# KiCad board kintsugi_v2.kicad_pcb (continued)
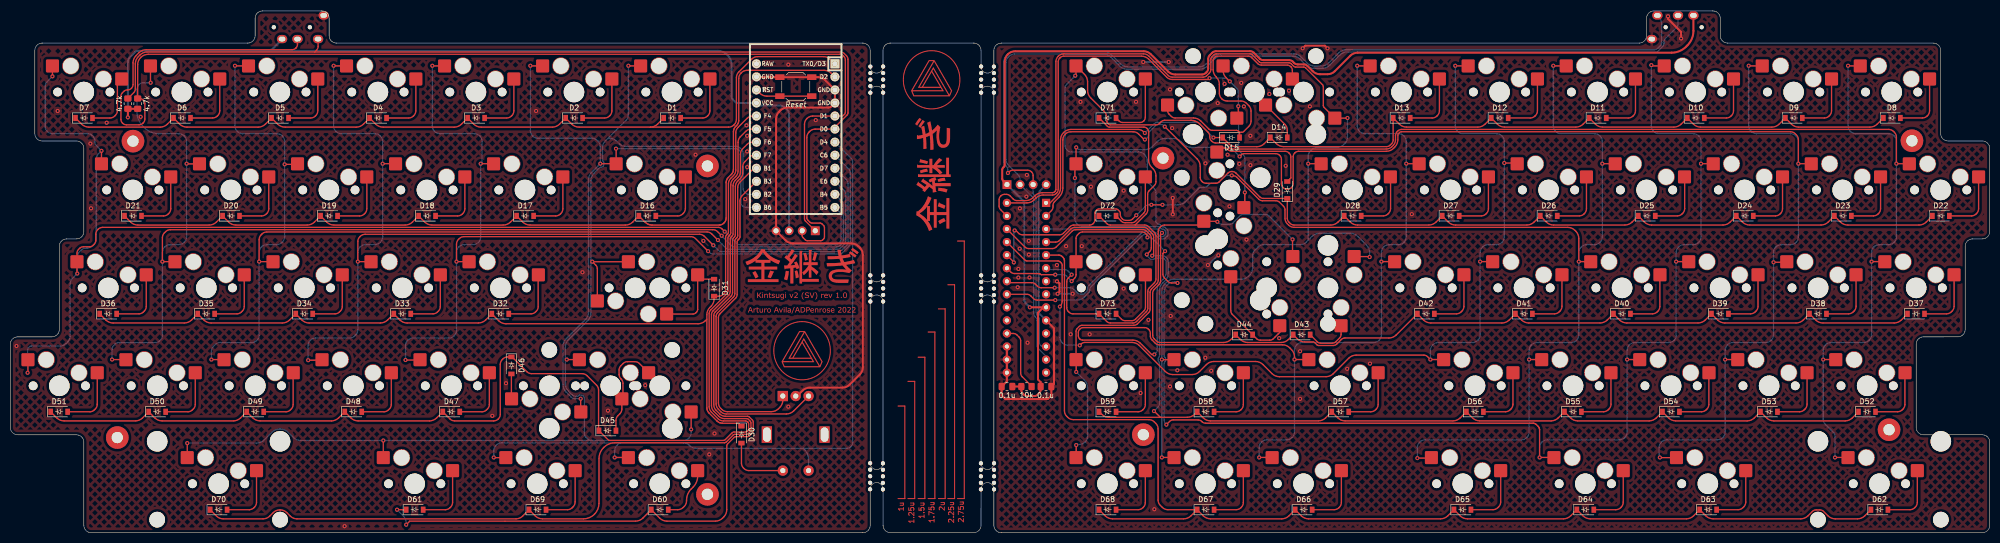
[diagram p0: board, top side]
## Routing (per net, layer and track width the routed paths; a pad name or vN(x,y) marks a point on that pad's centre or on a via; arc(x,y) is an arc through that point) (continued)
  Bottom w0.381: J2.1 196.75,64.66 arc(196.97,64.34) 197.04,63.95 197.04,45.34 arc(197.12,44.96) 197.33,44.63 v1(198.12,43.85)
VSS: length 90.5
  Top w0.381: v1(324.68,96.14) 324.68,97.41 322.14,99.95 v1(322.14,100.46) ; v1(225.9,65.12) v1(225.9,61.95) ; v1(255.97,94.24) 255.46,94.74 251.65,94.74 v1(251.14,94.24) ; U2.17 U2.15 193.66,29.46 C1.2 192.65,26.72 193.36,26 201.6,26 202.3,26.7 C2.2 202.82,28.96 202.82,39.77 U2.10 ; v1(203.39,48.9) 203.5,48.9 203.88,48.52 203.88,46.85 v1(203.52,46.48)
  Bottom w0.381: J2.4 200.14,66.56 arc(199.92,66.24) 199.84,65.85 199.84,43.15 arc(199.92,42.77) 200.14,42.45 U2.10 ; v1(220.16,91.57) v1(225.11,91.57) ; v1(232.73,52.07) 234.63,53.98 v1(234.76,53.98) ; v1(206.44,46.48) v1(203.52,46.48)
  vias: v1(195.77,47.75) v1(195.9,51.31) v1(195.9,49.65) v1(196.15,55.25) v1(196.18,63.09) v1(197.45,65.38) v1(197.55,69.6) v1(197.68,36.96) v1(197.93,56.77) v1(197.93,54.1) v1(198.06,49.66) v1(203.39,52.07) v1(205.17,55.75) v1(206.06,38.61) v1(207.96,83.82) v1(208.22,55.75) v1(209.74,38.61) v1(210,67.31) v1(216.35,66.55) v1(216.35,47.5) v1(218.76,83.82) v1(219.65,27.18) v1(221.17,41.4) v1(222.31,4.57) v1(225.36,86.23) v1(225.36,28.45) v1(225.49,42.17) v1(225.77,78.71) v1(226.79,31.6) v1(232.25,71.85) v1(232.22,34.04) v1(233.36,31.5) v1(234.63,83.57) v1(235.97,87.31) v1(236.54,73.53) v1(236.92,63.5) v1(238.82,71.76) v1(239.21,87.5) v1(239.71,82.93) v1(240.22,57.02) v1(240.98,77.22) v1(240.98,71.5) v1(244.67,85.35) v1(246.57,37.85) v1(247.84,71.38) v1(248.48,85.98) v1(250.64,35.31) v1(250.64,26.04) v1(252.54,82.93) v1(259.78,31.88) v1(264.22,32.89) v1(272.35,61.98)
COL0: length 145.7
  Top w0.25: v1(117.44,14.64) 120.08,14.64 MX63.1 ; MX72.1 93.98,14.61 v1(93.95,14.64)
  Bottom w0.25: 118.52,17.49 118.39,17.49 117.88,16.98 arc(117.56,16.5) 117.44,15.92 v1(117.44,14.64) ; 118.52,17.49 95.52,17.49 arc(94.94,17.38) 94.46,17.05 94.39,16.98 arc(94.06,16.5) 93.95,15.92 v1(93.95,14.64) ; 118.52,17.49 130.86,17.49 arc(131.44,17.38) 131.92,17.05 132.12,16.86 arc(132.6,16.53) 133.18,16.42 154.15,16.42 ; 154.15,16.42 162.62,16.42 arc(163.01,16.49) 163.33,16.71 163.4,16.78 arc(163.62,17.1) 163.69,17.49 163.69,72.12 arc(163.62,72.5) 163.4,72.82 U1.7 ; 154.15,16.42 154.24,16.32 arc(154.89,15.35) 155.12,14.2 SW1.S1
COL1: length 261.1
  Top w0.25: MX1.1 120.14,90.81 v1(120.11,90.84) ; MX48.1 110.55,33.69 v1(108.14,33.69) ; MX64.1 v1(72.49,17.94) ; MX73.1 v1(34.39,17.43) ; MX32.2 114.08,51.33 arc(114,51.72) 113.79,52.04 v1(113.09,52.74) 113.12,52.71 MX31.1 ; v1(132.3,20.1) MX47.1
  Bottom w0.25: 116.11,76.68 115.54,76.11 arc(115.21,75.62) 115.1,75.05 115.1,72.47 arc(115.12,72.37) 115.17,72.29 115.23,72.24 arc(115.34,72.07) 115.37,71.88 115.37,71.7 arc(115.34,71.5) 115.23,71.34 115.1,71.21 arc(114.93,71.1) 114.74,71.06 114.66,71.06 arc(114.57,71.05) 114.49,70.99 113.4,69.9 arc(112.97,69.25) 112.81,68.49 112.81,53.01 v1(113.09,52.74) 112.81,52.46 112.81,42.71 arc(112.66,41.95) 112.23,41.3 108.45,37.52 arc(108.01,36.87) 107.86,36.1 107.86,33.96 v1(108.14,33.69) 107.86,33.41 107.86,28.99 arc(108.01,28.22) 108.45,27.57 109.21,26.81 arc(109.53,26.59) 109.92,26.52 110.06,26.52 arc(110.25,26.56) 110.41,26.66 110.47,26.72 arc(110.55,26.77) 110.64,26.79 110.93,26.79 arc(111.12,26.76) 111.29,26.65 111.42,26.52 arc(111.53,26.35) 111.56,26.16 111.56,19.28 arc(111.64,18.9) 111.86,18.57 112.49,17.94 123.97,17.94 ; 116.11,76.68 119.67,80.24 arc(120,80.73) 120.11,81.3 v1(120.11,90.84) ; 116.11,76.68 116.7,76.68 arc(117.27,76.56) 117.76,76.24 118.4,75.6 arc(118.89,75.27) 119.46,75.16 141.09,75.16 arc(141.47,75.08) 141.8,74.87 142.11,74.55 arc(142.33,74.23) 142.4,73.85 142.4,66.93 arc(142.48,66.54) 142.7,66.22 142.81,66.11 arc(143.13,65.9) 143.51,65.82 U1.14 ; 123.97,17.94 v1(72.49,17.94) 56.44,17.94 arc(55.67,18.09) 55.03,18.53 53.99,19.56 arc(53.34,20) 52.57,20.15 52.27,20.15 arc(51.5,20) 50.85,19.56 49.31,18.02 arc(48.66,17.58) 47.89,17.43 v1(34.39,17.43) ; 123.97,17.94 130.79,17.94 arc(131.37,18.05) 131.85,18.38 131.86,18.39 arc(132.19,18.88) 132.3,19.45 v1(132.3,20.1)
COL2: length 130.8
  Top w0.25: MX2.1 101.09,90.81 v1(101.06,90.84) ; v1(114.65,71.79) 117.7,71.79 MX17.1 117.73,74.68 v1(117.7,74.71) ; v1(110.84,26.07) 110.84,23.53 MX49.1
  Bottom w0.25: v1(110.84,26.07) 109.73,26.07 arc(109.35,26.14) 109.02,26.36 108,27.39 arc(107.56,28.04) 107.41,28.8 107.41,36.29 arc(107.56,37.05) 108,37.7 111.78,41.48 arc(112.21,42.13) 112.36,42.9 112.36,68.67 arc(112.52,69.44) 112.95,70.09 v1(114.65,71.79) 114.65,75.1 arc(114.54,75.68) 114.21,76.16 114.07,76.3 arc(113.59,76.63) 113.01,76.74 102.57,76.74 arc(102,76.86) 101.51,77.18 101.5,77.19 arc(101.18,77.68) 101.06,78.25 v1(101.06,90.84) ; U1.13 143,63.28 arc(142.62,63.36) 142.3,63.57 142.25,63.62 arc(142.03,63.95) 141.96,64.33 141.96,73.66 arc(141.88,74.04) 141.66,74.37 141.61,74.42 arc(141.29,74.63) 140.91,74.71 v1(117.7,74.71)
COL3: length 189.3
  Top w0.25: MX3.1 82.04,90.81 v1(82.01,90.84) ; v1(91.41,71.79) 93.89,71.79 MX18.1 ; v1(76.8,33.59) 79.57,33.59 MX50.1 ; MX33.1 89.12,52.74 v1(86.71,52.74) 86.71,56.14 arc(86.81,56.63) 87.09,57.06 87.26,57.22 arc(87.68,57.5) 88.18,57.6 132.23,57.6 arc(132.73,57.5) 133.15,57.22 v1(135.61,54.77)
  Bottom w0.25: U1.8 162.95,70.73 arc(163.17,70.41) 163.24,70.03 163.24,56.41 arc(163.17,56.02) 162.95,55.7 161.79,54.54 arc(161.46,54.32) 161.08,54.24 136.55,54.24 arc(136.16,54.32) 135.84,54.54 v1(135.61,54.77) ; v1(82.01,90.84) 82.01,79.14 arc(82.13,78.57) 82.45,78.08 82.46,78.07 arc(82.95,77.74) 83.52,77.63 90.15,77.63 arc(90.73,77.52) 91.21,77.19 91.22,77.18 arc(91.55,76.69) 91.66,76.12 91.66,72.04 v1(91.41,71.79) 91.41,57.55 arc(91.3,56.98) 90.97,56.49 90.96,56.48 arc(90.47,56.15) 89.9,56.04 88.22,56.04 arc(87.65,55.93) 87.16,55.6 87.15,55.59 arc(86.82,55.1) 86.71,54.53 v1(86.71,52.74) 86.71,39.31 arc(86.61,38.81) 86.33,38.39 86.2,38.26 arc(85.78,37.98) 85.28,37.88 78.23,37.88 arc(77.73,37.78) 77.31,37.5 77.18,37.37 arc(76.92,37) 76.81,36.55 76.81,33.6 v1(76.8,33.59)
COL4: length 205.2
  Top w0.25: v1(72.36,71.79) 74.84,71.79 MX19.1 ; v1(57.88,33.56) 60.48,33.56 MX51.1 ; v1(136.62,55.91) 134.86,57.67 arc(134.44,57.95) 133.94,58.05 68.94,58.05 arc(68.44,57.95) 68.02,57.67 67.91,57.56 arc(67.63,57.14) 67.53,56.65 v1(67.53,52.74) 70.07,52.74 MX34.1 ; v1(62.83,90.84) 62.87,90.81 MX4.1
  Bottom w0.25: v1(136.62,55.91) 137.55,54.98 arc(137.87,54.77) 138.26,54.69 160.89,54.69 arc(161.28,54.77) 161.6,54.98 162.5,55.89 arc(162.72,56.21) 162.79,56.59 162.79,67.94 arc(162.72,68.32) 162.5,68.64 U1.9 ; v1(62.83,90.84) 62.83,79.14 arc(62.95,78.57) 63.27,78.08 63.28,78.07 arc(63.77,77.74) 64.34,77.63 70.85,77.63 arc(71.42,77.52) 71.91,77.19 71.92,77.18 arc(72.25,76.69) 72.36,76.12 v1(72.36,71.79) 72.36,57.55 arc(72.25,56.98) 71.92,56.49 71.91,56.48 arc(71.42,56.15) 70.85,56.04 69.04,56.04 arc(68.47,55.93) 67.98,55.6 67.97,55.59 arc(67.65,55.1) 67.53,54.53 v1(67.53,52.74) 67.53,39.43 arc(67.43,38.94) 67.15,38.51 66.9,38.26 arc(66.48,37.98) 65.98,37.88 59.31,37.88 arc(58.81,37.78) 58.39,37.5 58.26,37.37 arc(57.98,36.95) 57.88,36.45 v1(57.88,33.56)
COL5: length 221
  Top w0.25: MX20.1 55.72,71.66 v1(53.31,71.66) ; MX5.1 43.69,90.81 v1(43.66,90.84) ; MX35.1 51.02,52.74 v1(48.36,52.74) 48.36,57.03 arc(48.46,57.52) 48.74,57.95 48.91,58.12 arc(49.33,58.4) 49.83,58.5 135.4,58.5 arc(135.9,58.4) 136.32,58.12 v1(137.51,56.93) ; v1(39.09,33.69) 41.5,33.69 MX52.1
  Bottom w0.25: v1(43.66,90.84) 43.66,79.14 arc(43.77,78.57) 44.1,78.08 44.11,78.07 arc(44.59,77.74) 45.17,77.63 51.8,77.63 arc(52.37,77.52) 52.86,77.19 52.87,77.18 arc(53.2,76.69) 53.31,76.12 v1(53.31,71.66) 53.31,57.61 arc(53.2,57.04) 52.87,56.55 52.8,56.48 arc(52.31,56.15) 51.74,56.04 49.87,56.04 arc(49.29,55.93) 48.81,55.6 48.8,55.59 arc(48.47,55.1) 48.36,54.53 v1(48.36,52.74) 48.36,38.42 arc(48.26,37.92) 47.98,37.5 47.85,37.37 arc(47.43,37.09) 46.93,36.99 40.77,36.99 arc(40.27,36.89) 39.85,36.61 39.47,36.23 arc(39.18,35.81) 39.09,35.31 v1(39.09,33.69) ; v1(137.51,56.93) 139.01,55.43 arc(139.33,55.22) 139.71,55.14 160.71,55.14 arc(161.09,55.22) 161.41,55.43 162.05,56.07 arc(162.27,56.4) 162.34,56.78 162.34,65.84 arc(162.27,66.23) 162.05,66.55 U1.10
COL6: length 235.4
  Top w0.25: MX53.1 22.45,33.69 v1(19.78,33.69) ; MX6.1 27.24,87.57 v1(27.27,87.54) ; MX21.1 34.29,71.76 v1(34.26,71.79) ; v1(138.24,57.77) 137.44,58.57 arc(137.02,58.85) 136.52,58.95 31.1,58.95 arc(30.61,58.85) 30.19,58.57 29.94,58.33 arc(29.66,57.9) 29.56,57.41 v1(29.56,52.74) 31.97,52.74 MX36.1
  Bottom w0.25: U1.11 161.6,64.46 arc(161.82,64.14) 161.89,63.75 161.89,56.96 arc(161.82,56.58) 161.6,56.26 161.23,55.88 arc(160.9,55.67) 160.52,55.59 140.79,55.59 arc(140.4,55.67) 140.08,55.88 138.24,57.72 v1(138.24,57.77) ; v1(19.78,33.69) 19.78,35.69 arc(19.86,36.07) 20.07,36.39 20.38,36.7 arc(20.7,36.91) 21.08,36.99 28.26,36.99 arc(28.64,37.07) 28.96,37.28 29.27,37.59 arc(29.48,37.91) 29.56,38.29 v1(29.56,52.74) 29.56,54.53 arc(29.67,55.1) 30,55.59 30.01,55.6 arc(30.5,55.93) 31.07,56.04 32.75,56.04 arc(33.32,56.15) 33.81,56.48 33.82,56.49 arc(34.15,56.98) 34.26,57.55 v1(34.26,71.79) 34.26,76.12 arc(34.15,76.69) 33.82,77.18 33.81,77.19 arc(33.32,77.52) 32.75,77.63 28.87,77.63 arc(27.34,77.94) 26.04,78.8 25.78,79.06 arc(24.91,80.36) 24.61,81.89 24.61,86.15 arc(24.72,86.73) 25.05,87.21 25.08,87.24 arc(25.4,87.46) 25.78,87.54 v1(27.27,87.54)
COL7: length 248.5
  Top w0.25: MX54.1 3.43,31.18 v1(3.37,31.12) ; v1(138.83,58.58) 138.3,59.11 arc(137.98,59.32) 137.59,59.4 17.97,59.4 arc(17.47,59.3) 17.05,59.02 16.99,58.96 arc(16.71,58.54) 16.61,58.04 16.61,56.84 arc(16.53,56.45) 16.31,56.13 16.11,55.92 arc(15.78,55.7) 15.4,55.63 14.19,55.63 arc(13.81,55.55) 13.49,55.33 13.25,55.1 arc(13.03,54.77) 12.95,54.39 MX37.1 12.95,50.48 v1(13.02,50.42) ; v1(8.19,88.77) MX7.1 ; v1(17.72,74.3) MX22.1
  Bottom w0.25: v1(3.37,31.12) 3.37,35.61 arc(3.4,35.8) 3.51,35.96 3.73,36.18 arc(3.89,36.29) 4.08,36.32 9.73,36.32 arc(10.3,36.44) 10.79,36.76 11.18,37.15 arc(11.51,37.64) 11.62,38.22 11.62,48.4 arc(11.74,48.98) 12.06,49.46 v1(13.02,50.42) 13.02,53.61 arc(13.13,54.18) 13.46,54.67 13.72,54.93 arc(14.21,55.26) 14.78,55.37 14.94,55.37 arc(15.51,55.49) 16,55.81 16.26,56.08 arc(16.59,56.56) 16.7,57.14 16.7,72.66 arc(16.82,73.23) 17.14,73.72 v1(17.72,74.3) 16.74,75.27 arc(16.52,75.6) 16.45,75.98 16.45,76.3 arc(16.37,76.68) 16.15,77 15.82,77.34 arc(15.5,77.55) 15.11,77.63 8.07,77.63 arc(7.68,77.71) 7.36,77.92 7.09,78.19 arc(6.87,78.52) 6.8,78.9 6.8,86.96 arc(6.87,87.35) 7.09,87.67 v1(8.19,88.77) ; U1.12 161.15,62.37 arc(161.37,62.05) 161.44,61.66 161.44,57.15 arc(161.37,56.77) 161.15,56.44 161.04,56.33 arc(160.72,56.12) 160.33,56.04 141.78,56.04 arc(141.4,56.12) 141.07,56.33 v1(138.83,58.58)
COL8: length 375.7
  Top w0.25: MX55.1 354.71,33.69 v1(352.29,33.69) ; v1(354.58,14.64) 357.09,14.64 MX65.1 ; v1(357.12,90.84) 357.15,90.81 MX8.1 ; v1(361.69,52.74) 364.23,52.74 MX38.1 ; v1(206.95,88.9) 207.1,89.06 MX74.1 208.76,89.15 arc(209.19,88.51) 209.34,87.74 209.34,86.03 arc(209.5,85.27) 209.93,84.62 212.52,82.03 arc(212.95,81.38) 213.1,80.61 213.1,80 arc(213.14,79.81) 213.25,79.65 213.4,79.5 arc(213.56,79.39) 213.75,79.35 222.64,79.35 arc(223.02,79.43) 223.35,79.65 223.64,79.94 arc(223.96,80.16) 224.35,80.23 229.39,80.23 229.56,80.23 229.88,80.19 230.2,80.1 230.5,79.98 230.78,79.81 231.04,79.61 231.16,79.5 232.79,77.87 arc(233,77.55) 233.08,77.17 233.08,76.99 arc(233.16,76.6) 233.37,76.28 233.54,76.11 arc(233.86,75.9) 234.24,75.82 235.58,75.82 arc(235.97,75.74) 236.29,75.53 237.03,74.79 arc(237.19,74.68) 237.38,74.64 267.4,74.64 arc(267.98,74.76) 268.47,75.08 268.74,75.36 arc(269.06,75.84) 269.18,76.42 269.18,77.29 arc(269.26,77.67) 269.47,78 269.64,78.16 arc(269.96,78.38) 270.34,78.45 365.03,78.45 arc(365.53,78.35) 365.95,78.07 366.14,77.89 arc(366.42,77.47) 366.52,76.97 v1(366.52,71.79) 369,71.79 MX23.1 ; U2.21 197.59,46.38 arc(197.97,46.31) 198.29,46.09 198.84,45.54 arc(199.16,45.32) 199.55,45.25 v1(203.07,45.25)
  Bottom w0.25: v1(354.58,14.64) 354.58,18.8 arc(354.5,19.18) 354.29,19.51 352.73,21.06 arc(352.41,21.55) 352.29,22.12 v1(352.29,33.69) 352.29,35.48 arc(352.41,36.06) 352.73,36.54 352.74,36.55 arc(353.23,36.88) 353.8,36.99 360.18,36.99 arc(360.76,37.11) 361.24,37.43 361.25,37.44 arc(361.58,37.93) 361.69,38.5 v1(361.69,52.74) 361.69,54.53 arc(361.81,55.11) 362.13,55.59 362.14,55.6 arc(362.63,55.93) 363.2,56.04 365.01,56.04 arc(365.58,56.16) 366.07,56.48 366.08,56.49 arc(366.4,56.98) 366.52,57.55 v1(366.52,71.79) 366.52,76.12 arc(366.4,76.7) 366.08,77.18 366.07,77.19 arc(365.58,77.52) 365.01,77.63 358.63,77.63 arc(358.06,77.75) 357.57,78.07 357.56,78.08 arc(357.23,78.57) 357.12,79.14 v1(357.12,90.84) ; v1(206.95,88.9) 205.27,87.22 arc(205.05,86.9) 204.97,86.51 204.97,75.25 arc(205.05,74.87) 205.27,74.55 205.44,74.37 arc(205.77,74.15) 206.15,74.08 219.24,74.08 arc(219.82,73.96) 220.3,73.64 220.51,73.44 arc(220.83,72.95) 220.94,72.38 220.94,68.71 arc(221.02,68.33) 221.24,68.01 222.33,66.91 arc(222.55,66.58) 222.63,66.2 222.63,60.55 arc(222.65,60.43) 222.72,60.34 222.98,60.07 arc(223.08,60) 223.2,59.98 223.31,59.98 arc(223.43,59.96) 223.53,59.89 223.83,59.59 arc(223.92,59.53) 224.04,59.5 224.16,59.5 arc(224.28,59.48) 224.38,59.42 224.89,58.9 arc(224.95,58.81) 224.98,58.69 224.98,57.97 arc(224.95,57.85) 224.89,57.76 224.38,57.24 arc(224.28,57.18) 224.16,57.16 223.44,57.16 arc(223.32,57.18) 223.23,57.24 222.87,57.6 arc(222.23,58.03) 221.46,58.18 221.15,58.18 arc(220.39,58.03) 219.74,57.6 210.09,47.95 arc(209.87,47.62) 209.79,47.24 209.79,47.14 arc(209.75,46.95) 209.65,46.79 208.69,45.83 arc(208.04,45.4) 207.28,45.25 v1(203.07,45.25)
COL9: length 355.2
  Top w0.25: MX9.1 337.85,90.81 v1(337.82,90.84) ; v1(238.88,73.19) 239.29,73.6 arc(239.46,73.71) 239.65,73.74 245.91,73.74 arc(246.3,73.67) 246.62,73.45 246.72,73.35 arc(246.94,73.03) 247.01,72.65 247.01,67.89 arc(247.09,67.5) 247.3,67.18 247.35,67.13 arc(247.68,66.91) 248.06,66.84 248.25,66.84 arc(248.63,66.91) 248.96,67.13 249,67.18 arc(249.22,67.5) 249.3,67.89 249.3,73.16 arc(249.37,73.54) 249.59,73.86 249.63,73.9 arc(249.95,74.12) 250.34,74.19 267.38,74.19 arc(268.15,74.35) 268.8,74.78 269.04,75.03 arc(269.48,75.67) 269.63,76.44 269.63,77.31 arc(269.67,77.5) 269.78,77.66 269.97,77.86 arc(270.13,77.97) 270.32,78 345.92,78 arc(346.42,77.91) 346.84,77.62 347.09,77.38 arc(347.37,76.96) 347.47,76.46 v1(347.47,71.79) 349.95,71.79 MX24.1 ; MX39.1 345.12,52.61 v1(342.64,52.61) ; v1(320.54,14.64) 320.58,14.61 MX66.1 ; v1(333.24,33.69) 335.66,33.69 MX56.1 ; v1(206.88,69) 206.88,71.54 MX75.1 207.1,74.93 v1(207.13,74.97) ; U2.22 193.94,48.64 198.5,48.64 arc(198.88,48.57) 199.21,48.35 199.6,47.95 arc(199.93,47.74) 200.31,47.66 v1(202.94,47.66)
  Bottom w0.25: v1(206.88,69) 206.88,61.11 arc(206.99,60.54) 207.32,60.05 207.4,59.97 arc(207.88,59.65) 208.46,59.53 223.11,59.53 arc(223.23,59.51) 223.32,59.44 223.62,59.14 arc(223.72,59.08) 223.84,59.05 223.98,59.05 arc(224.09,59.03) 224.19,58.97 224.44,58.72 arc(224.5,58.62) 224.53,58.51 224.53,58.15 arc(224.5,58.04) 224.44,57.94 224.19,57.69 arc(224.09,57.63) 223.98,57.6 223.63,57.6 arc(223.51,57.63) 223.41,57.69 223.06,58.05 arc(222.41,58.48) 221.65,58.63 220.96,58.63 arc(220.2,58.48) 219.55,58.05 209.64,48.13 arc(209.42,47.81) 209.34,47.42 209.34,47.33 arc(209.31,47.14) 209.2,46.98 208.77,46.55 arc(208.61,46.44) 208.42,46.4 208.02,46.4 arc(207.64,46.48) 207.32,46.7 206.65,47.37 arc(206.32,47.59) 205.94,47.66 v1(202.94,47.66) ; v1(320.54,14.64) 320.42,14.77 320.42,16.56 arc(320.53,17.13) 320.86,17.62 320.87,17.63 arc(321.35,17.96) 321.93,18.07 331.73,18.07 arc(332.31,18.18) 332.79,18.51 332.81,18.52 arc(333.13,19.01) 333.24,19.58 v1(333.24,33.69) 333.24,35.48 arc(333.36,36.06) 333.68,36.54 333.69,36.55 arc(334.18,36.88) 334.75,36.99 341.13,36.99 arc(341.71,37.11) 342.19,37.43 342.2,37.44 arc(342.53,37.93) 342.64,38.5 v1(342.64,52.61) 342.64,54.53 arc(342.76,55.11) 343.08,55.59 343.09,55.6 arc(343.58,55.93) 344.15,56.04 345.96,56.04 arc(346.53,56.16) 347.02,56.48 347.03,56.49 arc(347.35,56.98) 347.47,57.55 v1(347.47,71.79) 347.47,76.12 arc(347.35,76.7) 347.03,77.18 347.02,77.19 arc(346.53,77.52) 345.96,77.63 339.33,77.63 arc(338.75,77.75) 338.27,78.07 338.26,78.08 arc(337.93,78.57) 337.82,79.14 v1(337.82,90.84) ; v1(207.13,74.97) 207.28,74.82 arc(207.6,74.6) 207.99,74.53 220.5,74.53 arc(221.27,74.68) 221.92,75.11 222.9,76.1 arc(223.55,76.53) 224.31,76.68 226.09,76.68 arc(226.85,76.53) 227.5,76.1 228.04,75.55 arc(228.69,75.12) 229.46,74.97 236.69,74.97 236.79,74.96 236.98,74.93 237.16,74.85 237.33,74.74 237.4,74.67 v1(238.88,73.19)
COL10: length 284.1
  Top w0.25: v1(224.41,54.77) 223.98,54.34 223.98,50.28 arc(224.05,49.9) 224.27,49.58 224.96,48.88 arc(225.29,48.66) 225.67,48.59 v1(226.82,48.59) ; v1(206.24,48.93) 206.81,49.5 arc(207.03,49.82) 207.1,50.2 MX76.1 207.1,57.25 arc(207.18,57.63) 207.39,57.96 207.65,58.21 arc(207.98,58.43) 208.36,58.5 219.9,58.5 arc(220.29,58.43) 220.61,58.21 220.98,57.85 v1(220.98,57.46) ; MX67.1 299.94,14.64 v1(297.18,14.64) 297.18,20 297.17,20.1 297.14,20.29 297.06,20.47 296.95,20.64 296.88,20.71 296.58,21.01 296.51,21.08 296.35,21.19 296.16,21.26 295.97,21.3 295.87,21.3 232.29,21.3 arc(231.9,21.38) 231.58,21.6 231.52,21.65 arc(231.2,21.87) 230.82,21.94 225.99,21.94 arc(225.61,21.87) 225.28,21.65 v1(224.66,21.03) ; MX25.1 330.9,71.79 v1(328.55,71.79) ; v1(203.07,50.2) 200.37,50.2 arc(200.26,50.22) 200.16,50.29 200.12,50.33 arc(200.02,50.4) 199.91,50.42 195.12,50.42 arc(194.73,50.5) 194.41,50.71 U2.23 ; MX57.1 316.61,33.69 v1(314.19,33.69) ; v1(318.89,90.97) 319.05,90.81 MX10.1 ; MX40.1 326.13,52.74 v1(323.72,52.74)
  Bottom w0.25: v1(318.89,90.97) 318.89,79.14 arc(319.01,78.57) 319.33,78.08 319.34,78.07 arc(319.83,77.75) 320.4,77.63 327.04,77.63 arc(327.61,77.52) 328.1,77.19 328.11,77.18 arc(328.43,76.7) 328.55,76.12 v1(328.55,71.79) 328.55,57.55 arc(328.43,56.98) 328.11,56.49 328.1,56.48 arc(327.61,56.16) 327.04,56.04 325.23,56.04 arc(324.66,55.93) 324.17,55.6 324.16,55.59 arc(323.83,55.11) 323.72,54.53 v1(323.72,52.74) 323.72,38.23 arc(323.64,37.85) 323.43,37.53 323.33,37.43 arc(322.85,37.11) 322.27,36.99 315.7,36.99 arc(315.13,36.88) 314.64,36.55 314.63,36.54 arc(314.31,36.06) 314.19,35.48 v1(314.19,33.69) 314.19,19.58 arc(314.08,19.01) 313.76,18.52 313.74,18.51 arc(313.26,18.18) 312.68,18.07 298.69,18.07 arc(298.11,17.96) 297.63,17.63 297.62,17.62 arc(297.29,17.13) 297.18,16.56 v1(297.18,14.64) ; v1(226.82,48.59) 226.6,48.8 226.25,48.8 arc(225.49,48.65) 224.84,48.22 224.81,48.19 arc(224.37,47.54) 224.22,46.77 224.22,34.43 arc(224.25,34.28) 224.34,34.15 224.38,34.11 arc(224.46,33.98) 224.5,33.83 224.5,33.56 arc(224.46,33.4) 224.38,33.27 224.34,33.23 arc(224.25,33.1) 224.22,32.95 224.22,21.88 arc(224.3,21.5) 224.51,21.18 v1(224.66,21.03) ; v1(206.24,48.93) 205.27,49.91 arc(204.94,50.13) 204.56,50.2 v1(203.07,50.2) ; v1(224.41,54.77) 222.01,57.16 arc(221.69,57.38) 221.31,57.46 v1(220.98,57.46)
COL11: length 266.2
  Top w0.25: v1(218.81,61.76) 218.1,61.05 arc(217.77,60.83) 217.39,60.75 216.81,60.75 arc(216.43,60.83) 216.1,61.05 216,61.14 arc(215.79,61.47) 215.71,61.85 215.71,62.15 arc(215.67,62.34) 215.56,62.5 215.22,62.85 arc(215.06,62.96) 214.87,62.99 211.53,62.99 arc(211.34,62.96) 211.18,62.85 210.9,62.58 arc(210.8,62.41) 210.76,62.22 210.76,60.87 arc(210.68,60.49) 210.46,60.16 210.45,60.15 arc(210.13,59.93) 209.74,59.85 206.66,59.85 arc(206.27,59.78) 205.95,59.56 204.64,58.25 arc(204.32,58.03) 203.93,57.96 196.65,57.96 arc(196.31,58.02) 196.01,58.18 195.39,58.8 v1(195.16,58.8) ; U2.24 195.01,52.65 v1(195.01,52.58) ; v1(299.84,90.84) 299.88,90.81 MX11.1 ; v1(309.37,71.79) 311.85,71.79 MX26.1 ; v1(295.14,33.69) 297.56,33.69 MX58.1 ; v1(273.43,14.51) 276.06,14.51 MX68.1 ; v1(237.36,69.51) 237.43,69.44 237.65,69.44 arc(238.03,69.36) 238.36,69.14 242.63,64.87 arc(242.95,64.66) 243.33,64.58 245.93,64.58 arc(246.32,64.5) 246.64,64.29 247.41,63.52 arc(247.63,63.19) 247.71,62.81 247.71,61.18 arc(247.82,60.6) 248.14,60.12 248.42,59.84 arc(248.9,59.52) 249.48,59.4 302.64,59.4 arc(303.41,59.25) 304.05,58.82 304.21,58.66 arc(304.64,58.01) 304.8,57.25 v1(304.8,52.74) 307.08,52.74 MX41.1 ; v1(223.9,63.79) v1(221.74,63.79)
  Bottom w0.25: v1(299.84,90.84) 299.84,79.14 arc(299.96,78.57) 300.28,78.08 300.29,78.07 arc(300.78,77.75) 301.35,77.63 307.86,77.63 arc(308.43,77.52) 308.92,77.19 308.93,77.18 arc(309.25,76.7) 309.37,76.12 v1(309.37,71.79) 309.37,57.55 arc(309.25,56.98) 308.93,56.49 308.92,56.48 arc(308.43,56.16) 307.86,56.04 306.37,56.04 arc(305.8,55.93) 305.31,55.6 305.24,55.53 arc(304.91,55.04) 304.8,54.47 v1(304.8,52.74) 304.8,38.5 arc(304.68,37.93) 304.36,37.44 304.35,37.43 arc(303.86,37.11) 303.29,36.99 296.65,36.99 arc(296.08,36.88) 295.59,36.55 295.58,36.54 arc(295.26,36.06) 295.14,35.48 v1(295.14,33.69) 295.14,19.58 arc(295.03,19.01) 294.71,18.52 294.69,18.51 arc(294.21,18.18) 293.63,18.07 274.94,18.07 arc(274.36,17.96) 273.88,17.63 273.87,17.62 arc(273.54,17.13) 273.43,16.56 v1(273.43,14.51) ; v1(223.9,63.79) 226.91,63.79 arc(227.68,63.94) 228.33,64.38 230.96,67.02 arc(231.13,67.12) 231.32,67.16 231.94,67.16 arc(232.32,67.24) 232.64,67.46 232.88,67.69 arc(233.2,67.91) 233.58,67.98 234.23,67.98 arc(234.62,68.06) 234.94,68.27 235.88,69.21 arc(236.2,69.43) 236.59,69.51 v1(237.36,69.51) ; v1(195.16,58.8) 195.01,58.65 v1(195.01,52.58) ; v1(221.74,63.79) 221.26,63.79 arc(220.87,63.71) 220.55,63.5 v1(218.81,61.76)
COL12: length 193.4
  Top w0.25: v1(290.32,71.92) 292.67,71.92 MX27.1 ; MX59.1 278.51,33.69 v1(275.97,33.69) 275.41,34.25 arc(275.08,34.47) 274.7,34.55 261.52,34.55 arc(260.76,34.39) 260.11,33.96 257.09,30.94 arc(256.44,30.51) 255.67,30.35 246.6,30.35 arc(245.84,30.51) 245.19,30.94 243.41,32.72 arc(242.76,33.16) 241.99,33.31 233.87,33.31 arc(233.1,33.16) 232.46,32.72 231.09,31.36 arc(230.44,30.92) 229.67,30.77 225.88,30.77 arc(225.11,30.92) 224.46,31.36 219.39,36.43 arc(218.74,36.87) 217.97,37.02 208.81,37.02 arc(208.42,36.94) 208.1,36.72 v1(207.83,36.45) ; v1(280.79,90.84) 280.83,90.81 MX12.1 ; v1(285.62,52.74) 288.03,52.74 MX42.1 ; U2.25 197.19,53.01 arc(197.35,52.91) 197.54,52.87 203.62,52.87 arc(203.82,52.83) 203.98,52.72 204.25,52.45 arc(204.36,52.29) 204.4,52.09 204.4,45.04 arc(204.28,44.47) v1(203.96,43.98)
  Bottom w0.25: v1(280.79,90.84) 280.79,79.14 arc(280.91,78.57) 281.23,78.08 281.24,78.07 arc(281.73,77.75) 282.3,77.63 288.81,77.63 arc(289.38,77.52) 289.87,77.19 289.88,77.18 arc(290.2,76.7) 290.32,76.12 v1(290.32,71.92) 290.32,57.55 arc(290.2,56.98) 289.88,56.49 289.87,56.48 arc(289.38,56.16) 288.81,56.04 287.19,56.04 arc(286.62,55.93) 286.13,55.6 286.06,55.53 arc(285.73,55.04) 285.62,54.47 v1(285.62,52.74) 285.62,38.5 arc(285.51,37.93) 285.18,37.44 285.17,37.43 arc(284.68,37.11) 284.11,36.99 277.48,36.99 arc(276.9,36.88) 276.42,36.55 276.41,36.54 arc(276.08,36.06) 275.97,35.48 v1(275.97,33.69) ; v1(203.96,43.98) 203.96,38.03 arc(204.07,37.45) 204.4,36.97 204.44,36.92 arc(204.93,36.6) 205.5,36.49 207.79,36.49 v1(207.83,36.45)
COL13: length 244.3
  Top w0.25: MX43.1 268.98,52.74 v1(266.44,52.74) ; v1(220.85,54.14) 221.44,54.72 arc(221.65,55.05) 221.73,55.43 221.73,57.32 arc(221.65,57.7) 221.44,58.02 220.8,58.66 arc(220.47,58.88) 220.09,58.95 207.03,58.95 arc(206.65,58.88) 206.32,58.66 203.24,55.57 arc(202.91,55.36) 202.53,55.28 197.88,55.28 arc(197.49,55.36) 197.17,55.57 U2.26 ; MX28.1 273.75,71.79 v1(271.27,71.79) ; MX13.1 261.78,90.81 v1(261.74,90.84) ; MX60.1 252.31,33.69 v1(249.55,33.69) 249.55,34.21 arc(249.4,34.98) 248.97,35.62 248.62,35.97 arc(247.97,36.4) 247.21,36.56 223.22,36.56 arc(222.84,36.63) 222.52,36.85 221.84,37.53 arc(221.62,37.85) 221.54,38.24 221.54,38.81 arc(221.47,39.19) 221.25,39.51 221.15,39.61 arc(220.83,39.83) 220.45,39.9 208.43,39.9 arc(208.16,39.85) 207.94,39.7 207.76,39.52 arc(207.6,39.29) 207.55,39.03 207.55,38.26 arc(207.6,37.99) 207.76,37.77 207.85,37.67 arc(208.08,37.52) 208.35,37.47 218.16,37.47 arc(218.92,37.31) 219.57,36.88 221.78,34.67 v1(222.31,34.67) ; v1(242.69,14.64) 245.17,14.64 MX69.1
  Bottom w0.25: v1(222.31,34.67) 222.73,35.08 arc(222.83,35.25) 222.87,35.44 222.87,47.33 arc(223.02,48.1) 223.46,48.75 224.01,49.29 arc(224.44,49.94) 224.59,50.71 224.59,52.52 arc(224.51,52.9) 224.3,53.23 224.18,53.35 arc(224.08,53.41) 223.97,53.43 222.6,53.43 arc(222.49,53.41) 222.39,53.35 222.29,53.25 arc(222.19,53.18) 222.08,53.16 221.73,53.16 arc(221.61,53.18) 221.52,53.25 220.85,53.91 v1(220.85,54.14) ; v1(242.69,14.64) 242.69,16.56 arc(242.81,17.13) 243.13,17.62 243.14,17.63 arc(243.63,17.96) 244.2,18.07 248.04,18.07 arc(248.62,18.18) 249.1,18.51 249.11,18.52 arc(249.44,19.01) 249.55,19.58 v1(249.55,33.69) 249.55,35.48 arc(249.67,36.06) 249.99,36.54 250,36.55 arc(250.49,36.88) 251.06,36.99 264.93,36.99 arc(265.51,37.11) 265.99,37.43 266,37.44 arc(266.33,37.93) 266.44,38.5 v1(266.44,52.74) 266.44,54.53 arc(266.56,55.11) 266.88,55.59 266.89,55.6 arc(267.38,55.93) 267.95,56.04 269.76,56.04 arc(270.33,56.16) 270.82,56.48 270.83,56.49 arc(271.15,56.98) 271.27,57.55 v1(271.27,71.79) 271.27,76.12 arc(271.15,76.7) 270.83,77.18 270.82,77.19 arc(270.33,77.52) 269.76,77.63 263.25,77.63 arc(262.68,77.75) 262.19,78.07 262.18,78.08 arc(261.86,78.57) 261.74,79.14 v1(261.74,90.84)
COL14: length 233.8
  Top w0.25: MX70.1 226.12,14.64 v1(223.77,14.64) ; v1(259.84,80.68) 259.81,80.65 MX14.1 255.3,82.74 arc(255.19,82.91) 255.15,83.1 255.15,86.79 arc(255.11,86.98) 255.01,87.14 251.71,90.44 arc(251.54,90.55) 251.35,90.59 249.76,90.59 arc(249.57,90.63) 249.41,90.73 248.87,91.27 arc(248.71,91.38) 248.51,91.42 243.09,91.42 arc(242.9,91.46) 242.73,91.56 241.28,93.01 arc(241.12,93.12) 240.93,93.16 234.3,93.16 arc(234.11,93.12) 233.94,93.01 233.44,92.51 arc(233.33,92.35) 233.29,92.16 233.29,90.12 arc(233.22,89.74) 233,89.41 232.51,88.92 arc(232.18,88.7) 231.8,88.62 225.77,88.62 arc(225.39,88.7) 225.06,88.92 221.26,92.72 arc(220.77,93.04) 220.2,93.16 204.74,93.16 arc(204.16,93.04) 203.68,92.72 203.63,92.67 arc(203.3,92.18) 203.19,91.61 203.19,66.78 arc(203.15,66.59) 203.04,66.43 202.9,66.29 arc(202.74,66.18) 202.55,66.14 200.54,66.14 arc(199.77,65.99) 199.12,65.56 198.76,65.2 arc(198.11,64.76) 197.35,64.61 195.61,64.61 arc(195.23,64.69) 194.9,64.9 194.28,65.53 arc(193.95,65.75) 193.57,65.82 193.2,65.82 arc(192.81,65.75) 192.49,65.53 192.44,65.48 arc(192.22,65.16) 192.15,64.77 192.15,63.55 arc(192.22,63.17) 192.44,62.84 U2.27 ; v1(223.77,33.69) 223.8,33.66 MX61.1 ; v1(264.16,53.63) 264.06,53.73 MX44.1 ; v1(252.22,71.79) 254.7,71.79 MX29.1
  Bottom w0.25: v1(223.77,14.64) v1(223.77,33.69) 223.77,46.96 arc(223.92,47.73) 224.36,48.37 224.71,48.73 arc(225.36,49.16) 226.12,49.31 239.2,49.31 arc(239.96,49.46) 240.61,49.9 240.84,50.12 arc(241.27,50.77) 241.42,51.54 241.42,53.9 arc(241.54,54.47) 241.86,54.96 242.51,55.6 arc(242.99,55.93) 243.57,56.04 250.74,56.04 arc(251.31,56.16) 251.8,56.48 252.22,56.9 ; 252.22,56.9 v1(252.22,71.79) 252.22,73.2 arc(252.33,73.78) 252.66,74.26 252.92,74.53 arc(253.41,74.85) 253.98,74.97 257.95,74.97 arc(258.52,75.08) 259.01,75.41 259.4,75.8 arc(259.72,76.28) 259.84,76.86 v1(259.84,80.68) ; 252.22,56.9 252.99,57.67 arc(253.63,58.1) 254.4,58.25 260.43,58.25 arc(261.2,58.1) 261.84,57.67 263.57,55.94 arc(264,55.29) 264.16,54.53 v1(264.16,53.63)
